# Altium PCB pcb-4layer-1oz-1.6mm.PcbDoc (part 3 of 4)
Units mm, origin at the board's own origin, x right, y up, seen from the top; angles counter-clockwise.
Board outline 208.5 x 86.9 mm, 4 copper layers (Top Layer, MID1, MID2, Bottom Layer), stack 1.579 mm thick; 542 components, 426 nets, 1550 pads, 470 vias.
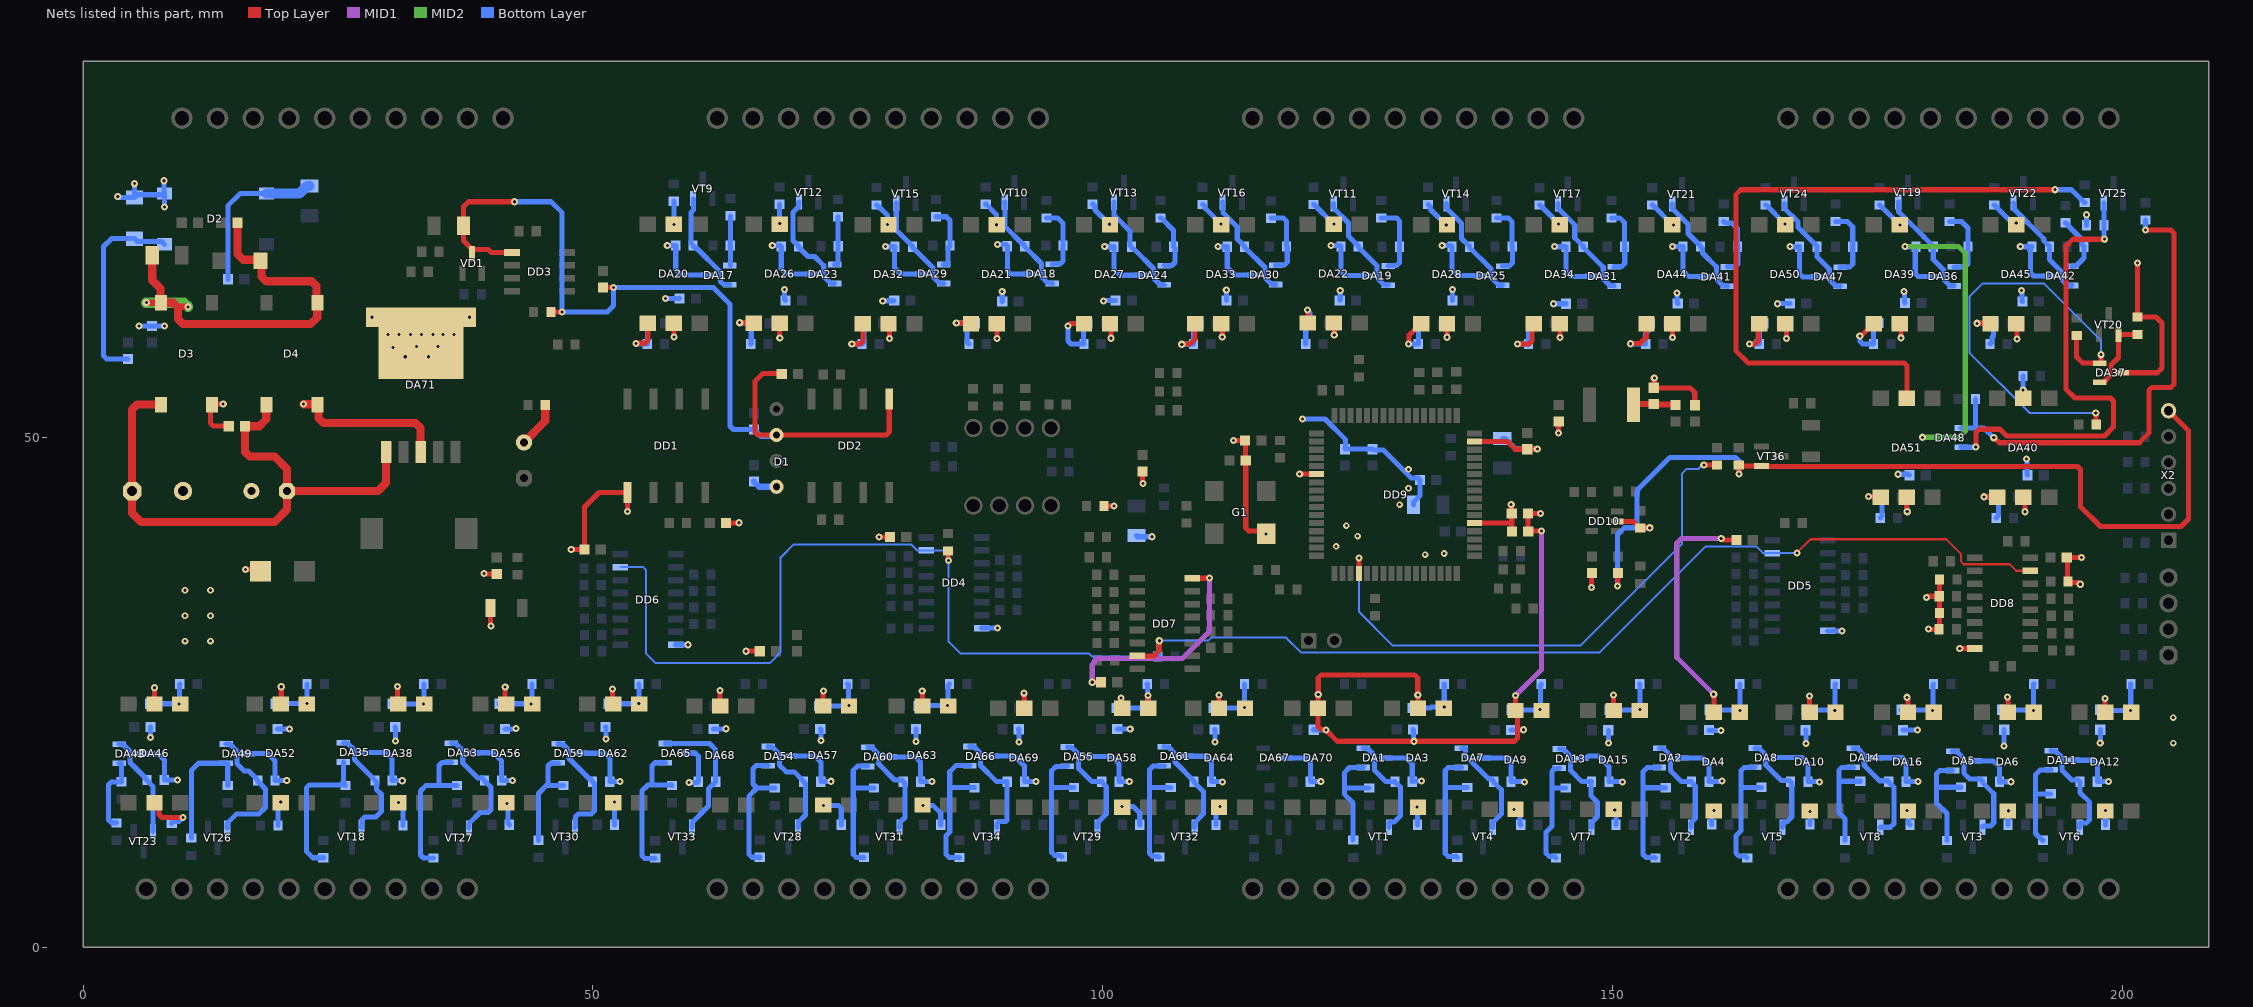
[diagram p5: the nets of this part, all layers, seen from the top]

## Via types
v1: diameter 0.7, hole 0.3, Top Layer to Bottom Layer, tented both sides, 437 vias
v2: diameter 0.65, hole 0.3, Top Layer to Bottom Layer, tented both sides, 21 vias
v3: diameter 0.65, hole 0.3, Top Layer to Bottom Layer, 12 vias

## Nets (pads, with @x,y where several pads share a name; then routed paths per layer and width w, separated by ;. In a path a pad name is that pad's centre, name@x,y a point inside that pad or via, vN(x,y) a via of type N, cw(c..) or ccw(c..) an arc to the next point about the centre after c; other vN are vias at no path point) (continued)
GND: C1.2 C2.2 C3.2 C4.2 C5.2 C6.2 C7.2 C8.2 C9.2 C10.2 C11.2 C12.2 C13.2 C14.2 C15.2 C16.2 C17.2 C18.2 C19.2 C20.2 C21.2 C22.2 C23.2 C24.2 C25.2 C26.2 C27.2 C28.2 C29.2 C30.2 C31.2 C32.2 C33.2 C34.2 C35.2 C36.1 C37.2 C43.2 C44.2 C45.2 C46.2 C47.2 C48.2 C59.1 C66.2 C67.2 C68.2 C69.2 C70.2 D1.1 D3.2 D4.2 DA3.5 DA4.5 DA6.5 DA9.5 DA10.5 DA12.5 DA15.5 DA16.5 DA20.5 DA21.5 DA22.5 DA26.5 DA27.5 DA28.5 DA32.5 DA33.5 DA34.5 DA38.5 DA39.5 DA40.5 DA44.5 DA45.5 DA46.5 DA50.5 DA51.5 DA52.5 DA56.5 DA57.5 DA58.5 DA62.5 DA63.5 DA64.5 DA68.5 DA69.5 DA70.5 DA71.3 DA71.6 DD1.5 DD4.8 DD5.8 DD6.8 DD7.8 DD8.8 L4.1 LED2.1 R266.2 R267.2 R268.2 R273.2 R274.2 R320.2 VD4.2 | length 264.5
  Top Layer w0.5: v1(6.992,25.436) 7,25.429 DA46.5@7,23.85 ; v1(13.746,53.269) 12.713,53.269 D3.2@12.645,53.201 12.5,53.056 12.5,51.383 12.793,51.09 C66.2@14.286,51.09 ; v1(15.919,37.023) 17.263,37.023 VD4.2@17.42,36.865 ; DA52.5@19.386,23.85 19.438,23.902 v1(19.438,25.531) ; v1(30.856,25.541) 30.856,23.902 DA38.5@30.908,23.85 ; v1(39.317,36.656) 39.317,36.605 C70.2@40.582,36.605 ; LED2.1@39.966,33.265 39.966,31.5 v1(40,31.5) ; v1(41.4,25.5) 41.4,23.966 DA56.5@41.516,23.85 ; v1(47.879,39.011) 47.879,39.005 C46.2@49.172,39.005 49.172,43.172 50.598,44.598 DD1.5@53.402,44.598 53.402,42.737 v1(53.395,42.73) ; v1(51.921,25.327) 51.921,23.928 DA62.5@52,23.85 ; DA20.5@57.938,61.189 57.938,59.85 v1(57.959,59.828) ; v1(62.472,25.164) 62.472,23.674 DA68.5@62.502,23.644 ; C37.2@63.057,41.587 64.293,41.587 v1(64.327,41.621) ; v1(65.002,29.018) 65.005,29.021 C43.2@66.365,29.021 ; DA26.5@68.319,61.189 68.319,59.749 v1(68.332,59.735) ; DA57.5@72.583,23.644 72.583,25.09 v1(72.616,25.123) ; v1(78.055,40.214) 78.061,40.207 C45.2@79.144,40.207 ; DA32.5@79,61.15 79.1,61.05 v1(79.1,59.7) ; v1(82.3,25.1) 82.329,25.071 DA63.5@82.329,23.644 ; DA21.5@89.62,61.15 89.62,59.699 v1(89.637,59.682) ; v1(92.3,24.9) 92.311,24.889 DA69.5@92.311,23.428 ; v1(98.978,25.978) 98.98,25.98 99.82,25.98 C44.2@99.822,25.982 ; DA27.5@100.715,61.15 100.801,61.063 v1(100.801,59.712) ; v1(101.8,24.443) 101.8,23.545 DA58.5@101.918,23.428 ; DD7.8@108.805,36.18 110.472,36.18 v1(110.483,36.191) ; v1(111.392,24.719) 111.417,24.694 DA64.5@111.417,23.428 ; DA33.5@111.615,61.15 111.727,61.037 v1(111.727,59.853) ; DA22.5@122.661,61.201 122.711,61.151 v1(122.711,60.016) ; DA3.5@130.921,23.428 130.921,24.729 v1(130.907,24.743) 130.907,26.393 130.6,26.7 121.434,26.7 121.141,26.407 v1(121.141,24.767) 121.12,24.745 DA70.5@121.12,23.428 121.12,21.631 121.413,21.338 121.862,21.338 v1(121.9,21.3) 123.015,20.185 v1(130.539,20.185) 140.385,20.185 140.7,20.5 140.7,23.01 DA9.5@140.497,23.213 v1(140.497,24.678) ; DA28.5@133.773,61.15 133.773,59.822 v1(133.781,59.814) ; v1(142.95,42.512) 142.939,42.524 141.736,42.524 L4.1@141.725,42.535 141.734,42.526 141.734,40.768 C59.1@141.744,40.759 141.781,40.796 v1(143.055,40.796) ; DA34.5@144.821,61.15 144.841,61.129 v1(144.841,59.774) ; v1(150.093,24.733) 150.093,23.258 DA15.5@150.138,23.213 ; DA44.5@155.877,61.15 155.877,59.823 v1(155.9,59.8) ; v1(159.93,24.798) 159.946,24.782 DA4.5@159.946,23.045 ; v1(160.672,40.075) 160.726,40.075 160.86,39.942 162.157,39.942 C47.2@162.164,39.934 ; DA50.5@166.941,61.15 167.051,61.04 v1(167.051,59.692) ; v1(169.334,24.641) 169.334,23.05 DA10.5@169.339,23.045 ; DA39.5@178.178,61.15 178.306,61.022 v1(178.306,59.758) ; DA51.5@178.867,44.096 178.867,42.798 178.909,42.756 v1(178.909,42.702) ; v1(178.9,24.5) 178.983,24.417 DA16.5@178.983,23.045 ; v1(180.791,34.277) 180.845,34.277 180.974,34.406 R267.2@182.045,34.406 ; v1(180.988,31.199) 181.023,31.165 R268.2@182.04,31.165 182.06,31.184 182.06,36.021 R273.2@182.079,36.041 ; v1(184.061,29.302) 184.073,29.29 DD8.8@185.55,29.29 ; v1(188.756,24.547) 188.777,24.525 DA6.5@188.777,23.045 ; DA45.5@189.615,61.15 189.673,61.092 v1(189.673,59.634) ; DA40.5@190.29,44.116 190.455,43.951 v1(190.455,42.696) ; v1(195.88,35.589) 195.826,35.589 195.664,35.751 194.806,35.751 194.618,35.939 194.618,38.136 C48.2@194.55,38.204 195.979,38.204 v1(195.987,38.211) ; v1(198.318,24.376) 198.318,23.068 DA12.5@198.341,23.045
  Top Layer w0.8: v1(21.627,53.248) 22.935,53.248 D4.2@22.982,53.201 23.097,53.086 23.097,51.869 23.566,51.4 32.61,51.4 33.078,50.931 DA71.3@33.078,48.609 ; C69.2@43.238,49.494 45.333,51.589 R320.2@45.333,53.176
  MID1 w0.5: v1(98.978,25.978) 98.978,27.717 99.15,27.889 99.15,28.007 99.443,28.3 107.8,28.3 110.483,30.983 v1(110.483,36.191) ; v1(140.497,24.678) 143.055,27.236 v1(143.055,40.796) ; v1(159.93,24.798) 156.3,28.428 156.3,39.615 156.76,40.075 v1(160.672,40.075)
  Bottom Layer w0.5: C23.2@6.617,21.583 6.617,20.554 v1(6.629,20.543) ; C26.2@19.056,21.399 20.233,21.399 v1(20.242,21.408) ; C18.2@30.609,21.583 30.654,21.539 v1(30.654,20.21) ; C27.2@41.382,21.399 42.433,21.399 v1(42.47,21.435) ; C30.2@51.242,21.583 51.3,21.526 v1(51.3,20.4) ; v1(57.139,63.608) 57.144,63.603 C9.2@58.502,63.603 ; DD6.8@58.114,29.643 58.123,29.652 v1(59.337,29.652) ; C33.2@61.856,21.399 63.022,21.399 v1(63.04,21.417) ; v1(68.8,64.5) 68.8,63.525 C12.2@68.908,63.417 ; C28.2@72.306,21.399 72.387,21.317 v1(72.387,20.27) ; v1(78.428,63.371) 78.452,63.394 79.528,63.394 C15.2@79.551,63.417 ; v1(81.675,20.151) 81.687,20.163 C31.2@81.687,21.386 ; DD4.8@88.133,31.287 89.687,31.287 v1(89.7,31.3) ; v1(90.145,64.312) 90.156,64.301 C10.2@90.156,63.315 ; C34.2@91.765,21.361 91.8,21.327 v1(91.8,20.1) ; v1(100.064,63.381) 100.1,63.417 C13.2@101.264,63.417 ; C29.2@101.437,21.4 v1(102.7,21.4) ; C32.2@110.966,21.355 111.033,21.288 v1(111.033,20.114) ; v1(112.126,64.443) 112.151,64.418 C16.2@112.151,63.417 ; C35.2@120.706,21.322 121.878,21.322 v1(121.9,21.3) ; C11.2@123.259,63.417 123.302,63.46 123.302,64.398 v1(123.3,64.4) ; C1.2@130.441,21.355 130.501,21.295 130.501,20.223 v1(130.539,20.185) ; v1(134.3,64.5) 134.313,64.487 C14.2@134.313,63.417 ; C4.2@140.059,21.297 141.269,21.297 v1(141.287,21.314) ; v1(144.2,63.1) 144.225,63.1 144.227,63.102 C17.2@145.439,63.102 ; C7.2@149.594,21.259 149.594,20.027 149.6,20.021 v1(149.6,20) ; v1(156.333,64.159) 156.333,63.202 C21.2@156.406,63.128 ; C2.2@159.456,21.294 159.519,21.23 v1(160.651,21.23) ; v1(166.2,63.1) 166.237,63.137 C24.2@167.398,63.137 ; C5.2@168.94,21.275 168.971,21.243 v1(168.971,19.953) ; DD5.8@171.106,31.014 172.486,31.014 v1(172.5,31) ; v1(178.006,46.378) 179.029,46.378 C25.2@179.124,46.284 ; C8.2@178.507,21.277 179.877,21.277 v1(179.9,21.3) ; v1(178.6,64.3) 178.654,64.246 178.654,63.221 C19.2@178.695,63.18 ; v1(188.396,19.736) 188.416,19.756 C3.2@188.416,21.313 ; v1(190.1,64.4) 190.152,64.348 190.152,63.361 C22.2@190.21,63.304 ; v1(190.6,47.878) 190.638,47.84 190.638,46.352 C20.2@190.707,46.284 ; v1(197.838,20.027) 197.849,20.039 C6.2@197.849,21.325
  Bottom Layer w0.6: C36.1@65.794,45.654 66.3,45.148 D1.1@68.008,45.148
  other v2: 10,30 12.5,30 10,32.5 12.5,32.5 10,35 12.5,35 31.6,57.9 33.9,57.9 30.4,58.8 32.7,58.9 34.8,58.9 29.9,60.1 31,60.1 32.1,60.1 33.2,60.1 34.3,60.1 35.3,60.1 36.4,60.1 28.344,61.776 37.909,61.776
  other v3: 205,20 205,22.5
GND_INPUTS: C42.2 D2.2 DA1.3 DA2.3 DA5.3 DA7.3 DA8.3 DA11.3 DA13.3 DA14.3 DA17.3 DA18.3 DA19.3 DA23.3 DA24.3 DA25.3 DA29.3 DA30.3 DA31.3 DA35.3 DA36.3 DA37.3 DA41.3 DA42.3 DA43.3 DA47.3 DA48.3 DA49.3 DA53.3 DA54.3 DA55.3 DA59.3 DA60.3 DA61.3 DA65.3 DA66.3 DA67.3 R9.1 R10.1 R14.1 R25.1 R26.1 R34.1 R43.1 R44.1 R58.1 R59.1 R60.1 R75.1 R76.1 R78.1 R94.1 R95.1 R96.1 R112.1 R113.1 R114.1 R129.1 R130.1 R132.1 R148.1 R149.1 R150.1 R166.1 R167.1 R168.1 R183.1 R184.1 R186.1 R202.1 R203.1 R204.1 VD2.2 | length 253.6
  Top Layer w0.5: DA37.3@199.983,56.334 203.434,56.334 203.9,56.8 203.9,61.2 203.314,61.786 R114.1@201.479,61.786 201.479,67.079 v1(201.5,67.1)
  MID2 w0.5: v1(178.7,68.7) 183.957,68.7 184.6,68.057 184.6,50.6 184,50 v1(180.4,50)
  Bottom Layer w0.5: v1(3.4,73.6) 3.486,73.514 VD2.2@5.052,73.514 ; v1(5.051,74.871) 5.052,74.87 VD2.2@5.052,73.514 ; v1(5.5,60.9) 5.507,60.907 C42.2@6.756,60.907 7.993,60.907 v1(8,60.9) ; DA43.3@5.735,18.961 7.339,18.961 7.969,18.331 R132.1@7.969,16.388 9.278,16.388 v1(9.278,16.386) ; v1(7.947,75.161) 7.947,73.958 D2.2@7.982,73.922 ; v1(7.984,72.581) 7.984,73.921 D2.2@7.982,73.922 ; DA49.3@16.207,18.972 18.128,18.972 18.826,18.274 R150.1@18.826,16.331 19.978,16.331 v1(19.978,16.328) ; DA35.3@27.715,19.091 29.709,19.091 30.318,18.482 R112.1@30.318,16.331 31.304,16.331 v1(31.304,16.317) ; DA53.3@38.318,19.058 40.242,19.058 41.058,18.242 R166.1@41.058,16.331 42.102,16.331 v1(42.122,16.351) ; DA59.3@48.787,19.015 51.185,19.015 51.662,18.538 R183.1@51.662,16.225 v1(52.645,16.225) ; v1(57.3,68.8) 58.118,68.8 R58.1@58.132,68.814 58.132,66.468 58.69,65.91 DA17.3@61.263,65.91 ; DA65.3@59.292,19.021 59.296,19.017 60.051,19.017 60.344,18.724 R202.1@60.344,16.225 60.267,16.148 v1(59.446,16.148) ; v1(67.6,68.8) 68.383,68.8 R75.1@68.477,68.706 68.477,66.523 68.984,66.016 DA23.3@71.52,66.016 ; DA54.3@69.376,18.731 71.769,18.731 72.356,18.144 R167.1@72.356,16.225 73.332,16.225 v1(73.367,16.26) ; v1(78.7,68.7) 78.713,68.687 R94.1@79.643,68.687 79.6,68.644 79.6,66.6 80.184,66.016 DA29.3@82.227,66.016 ; DA60.3@79.155,18.66 81.64,18.66 82.143,18.157 R184.1@82.143,16.225 83.262,16.225 v1(83.275,16.238) ; DA66.3@89.152,18.737 91.363,18.737 92.335,17.765 R203.1@92.335,16.225 93.449,16.225 v1(93.45,16.226) ; v1(89.7,68.9) 90.495,68.9 R59.1@90.65,68.745 90.65,66.318 90.943,66.025 DA18.3@92.872,66.025 ; DA55.3@98.724,18.682 100.918,18.682 101.614,17.986 R168.1@101.614,16.225 v1(102.614,16.225) ; v1(100.2,68.7) 100.213,68.687 R76.1@101.126,68.687 101.126,66.474 101.708,65.892 DA24.3@103.853,65.892 ; DA61.3@108.225,18.714 110.086,18.714 110.669,18.131 R186.1@110.669,16.225 111.709,16.225 v1(111.742,16.192) ; v1(111.3,68.7) 111.313,68.687 R95.1@112.223,68.687 112.223,66.677 112.977,65.923 DA30.3@114.793,65.923 ; DA67.3@117.953,18.554 119.946,18.554 120.364,18.136 R204.1@120.364,16.225 121.39,16.225 v1(121.393,16.228) ; v1(122.4,68.8) 123.279,68.8 R60.1@123.375,68.704 123.375,66.225 123.739,65.861 DA19.3@125.826,65.861 ; DA1.3@127.742,18.56 129.74,18.56 130.365,17.935 R9.1@130.365,16.225 130.426,16.286 v1(131.274,16.286) ; v1(133.3,68.8) 134.15,68.8 R78.1@134.263,68.687 134.263,66.437 134.851,65.849 DA25.3@137.042,65.849 ; DA7.3@137.367,18.548 139.752,18.548 140.057,18.243 R25.1@140.057,16.225 141.334,16.225 v1(141.375,16.184) ; v1(144.3,68.7) 144.313,68.687 R96.1@145.434,68.687 145.434,66.266 145.914,65.786 DA31.3@147.972,65.786 ; DA13.3@146.981,18.497 147.387,18.497 147.64,18.75 148.611,18.75 149.646,17.715 R43.1@149.646,16.225 150.975,16.225 v1(151,16.2) ; v1(155.9,68.7) 155.904,68.704 R129.1@156.926,68.704 156.926,66.322 157.493,65.755 DA41.3@159.095,65.755 ; DA2.3@156.799,18.555 158.845,18.555 159.458,17.942 R10.1@159.458,16.225 160.677,16.225 v1(160.731,16.279) ; DA8.3@166.162,18.593 168.607,18.593 169.162,18.038 R26.1@169.162,16.225 170.275,16.225 v1(170.3,16.2) ; v1(167.4,68.7) 167.413,68.687 R148.1@168.358,68.687 168.358,66.042 168.659,65.741 DA47.3@170.14,65.741 ; DA14.3@175.819,18.567 178.433,18.567 178.8,18.2 178.8,16.229 R44.1@178.795,16.225 179.939,16.225 v1(179.95,16.236) ; v1(178.7,68.7) 178.713,68.687 R113.1@179.765,68.687 179.7,68.622 179.7,66.069 179.993,65.776 DA36.3@181.33,65.776 ; v1(180.4,50) 180.432,49.968 DA48.3@182.02,49.968 ; DA5.3@185.543,18.269 187.331,18.269 187.972,17.628 R14.1@187.972,16.225 187.977,16.221 189.068,16.221 v1(189.072,16.216) ; v1(190,68.7) 190.013,68.687 R130.1@191.15,68.687 191,68.536 191,66.115 191.293,65.822 DA42.3@192.873,65.822 ; DA11.3@195.205,18.329 197.259,18.329 197.552,18.036 R34.1@197.552,16.225 198.653,16.225 v1(198.66,16.232) ; R149.1@196.495,70.795 196.498,70.798 196.498,71.825 v1(196.502,71.828) ; VD2.2@5.052,73.514 5.328,73.79 7.85,73.79 D2.2@7.982,73.922
GND_ISO: C38.1 C39.1 C40.2 D1.3 DD2.5 DD3.5 R218.1 R322.1 VD1.3 | length 92.3
  Top Layer w0.5: VD1.3@38.151,67.999 38.101,68.049 38.101,68.499 37.318,69.282 R322.1@37.318,70.755 37.318,72.618 37.8,73.1 v1(42.3,73.1) ; VD1.3@38.151,68.076 38.151,68.383 38.201,68.433 39.724,68.433 40.03,68.126 DD3.5@42.067,68.126 ; R218.1@45.884,62.287 46.983,62.287 v1(46.988,62.282) ; C40.2@51,64.7 52.033,64.7 v1(52.035,64.698) ; C38.1@68.527,56.196 68.483,56.24 66.64,56.24 65.9,55.5 65.9,50.521 66.193,50.228 D1.3@68.008,50.228 78.775,50.228 79.068,50.521 DD2.5@79.068,53.748
  Bottom Layer w0.5: v1(42.3,73.1) 45.9,73.1 46.988,72.012 v1(46.988,62.282) 51.407,62.282 52.035,62.91 v1(52.035,64.698) 61.802,64.698 63.45,63.05 63.45,51.112 63.793,50.769 C39.1@65.794,50.769 66.491,50.073 67.853,50.073 D1.3@68.008,50.228
GND_MCU: C49.2 C50.2 C51.2 C52.2 C53.2 C54.2 C55.2 C56.2 C57.2 C58.2 C59.2 C60.2 C61.2 C62.2 C63.2 C64.2 DD9.22 DD9.53 DD9.63 DD10.2 G1.2 L4.2 R307.1 R316.1 R318.1 VT36.2 X2.6 | length 151.1
  Top Layer w0.5: R307.1@100.126,43.267 101.102,43.267 v1(101.107,43.272) ; C55.2@103.9,46.656 103.9,45.575 103.966,45.509 v1(103.966,45.455) ; v1(112.819,49.697) 112.833,49.683 C58.2@113.973,49.683 114.004,49.652 114.004,47.768 C50.2@114.035,47.737 114.035,41.093 114.328,40.8 115.775,40.8 v2(116.039,40.535) ; v1(119.325,46.385) 119.326,46.383 120.973,46.383 DD9.22@120.975,46.382 ; DD9.63@136.477,49.584 139.716,49.584 140.468,48.832 C64.2@141.636,48.832 142.619,48.832 v1(142.628,48.841) ; DD9.53@136.491,41.598 140.068,41.598 140.125,41.654 L4.2@140.125,42.535 140.096,42.564 140.096,43.363 v1(140.068,43.391) ; 140.134,41.582 140.134,40.768 C59.2@140.144,40.759 ; v1(144.713,50.406) 144.723,50.415 C63.2@144.723,51.555 ; v1(147.961,35.284) 147.961,36.661 C56.2@147.996,36.697 ; DD10.2@150.458,41.759 152.009,41.759 152.668,41.1 R316.1@152.718,41.1 152.743,41.124 v1(153.655,41.124) ; v1(150.5,35.4) 150.533,35.433 C57.2@150.533,36.697 ; v1(154.102,55.813) 154.102,54.903 C61.2@154.053,54.854 157.607,54.854 158.072,54.388 158.072,53.158 C60.2@158.091,53.138 ; v1(162.4,46.4) 162.392,46.408 R318.1@162.392,47.282 162.48,47.194 164.617,47.194 VT36.2@164.62,47.191 ; VT36.2@164.972,47.128 195.607,47.128 195.9,46.836 195.9,43.2 197.856,41.244 205.751,41.244 206.5,41.993 206.5,50.65 X2.6@204.546,52.604
  Bottom Layer w0.5: C52.2@103.314,40.357 103.427,40.243 v1(104.856,40.243) ; v1(119.6,51.8) 121.8,51.8 123.8,49.8 123.8,48.87 C53.2@123.763,48.833 C54.2@126.464,48.833 126.557,48.74 127.538,48.74 130.261,46.017 130.916,46.017 C51.2@131.119,45.814 131.119,44.272 130.474,43.627 C49.2@130.474,43.377 ; C62.2@139.207,49.879 139.457,49.879 140.495,48.841 v1(142.628,48.841) ; v1(150.5,35.4) 150.5,40.459 151.165,41.124 152.41,41.124 ; v1(153.655,41.124) 152.41,41.124 ; v1(162.4,46.4) 162.4,47.707 162.075,48.032 155.635,48.032 152.5,44.897 152.5,44.8 152.41,44.71 152.41,41.124
  other v3: 131.628,38.49 133.484,38.6 122.9,39.3 125,40.3 123.905,41.337 129.13,43.399 130,45 130,46.857
LED_Debug: DD9.36 R317.1 | length 54.6
  Top Layer w0.5: DD9.36@125.125,36.632 125.125,38.136 v1(125.139,38.15) ; v1(158.958,47.282) R317.1@160.252,47.282
  Bottom Layer w0.2: v1(125.139,38.15) 125.139,32.88 128.419,29.6 146.891,29.6 156.807,39.516 156.807,46.407 157.3,46.9 158.441,46.9 158.823,47.282 v1(158.958,47.282)
nCE_to_MCU: DD4.15 DD5.15 DD6.15 DD7.15 DD8.15 R228.2 R240.1 | length 180.3
  Top Layer w0.2: v1(168.084,38.662) 169.422,40 182.749,40 184.2,38.549 184.2,37.8 184.45,37.55 188.95,37.55 189.59,36.91 DD8.15@190.974,36.91
  Top Layer w0.5: R240.1@84.83,38.852 84.847,38.834 84.847,37.918 v1(84.865,37.9) ; DD7.15@103.381,28.56 105.04,28.56 105.553,29.072 v1(105.553,30.045)
  Bottom Layer w0.2: DD6.15@52.69,37.263 54.937,37.263 55.2,37 55.2,28.8 56.15,27.85 67.35,27.85 68.4,28.9 68.4,38.2 69.7,39.5 81.2,39.5 81.8,38.9 82.702,38.9 DD4.15@82.709,38.907 84.693,38.907 84.9,38.7 84.9,37.935 v1(84.865,37.9) ; v1@84.9,37.865 84.9,29.935 86.035,28.8 98.649,28.8 98.937,28.511 R228.2@105.404,28.511 ; v1(105.553,30.045) 105.558,30.05 110.355,30.05 110.655,30.35 117.979,30.35 119.429,28.9 148.743,28.9 159.143,39.3 164.1,39.3 164.737,38.663 165.653,38.663 DD5.15@165.682,38.634 165.71,38.662 v1(168.084,38.662)
  Bottom Layer w0.5: R228.2@105.404,28.511 105.511,28.618 105.511,29.949 105.553,29.991 v1(105.553,30.045)
NetC41_1: C41.1 D2.3 FU1.2 | length 16
  Bottom Layer w0.5: C41.1@14.2,65.5 14.2,72.7 15.422,73.922 D2.3@17.982,73.922
  Bottom Layer w1: D2.3@17.982,73.922 21.236,73.922 21.952,74.639 FU1.2@22.202,74.639
NetC61_1: C61.1 L5.2 L6.1 | length 4.2
  Top Layer w0.6: L6.1@152.052,53.197 152.108,53.254 C61.1@154.053,53.254 154.102,53.204 156.14,53.204 L5.2@156.189,53.155
NetC65_1: C65.1 D3.4 D4.3 FU2.2 VD3.1 | length 44.9
  Top Layer w0.6: v1(6.2,63.2) D3.4@7.645,63.201 ; 9.368,62.8 v1(10.3,62.8)
  Top Layer w0.8: FU2.2@6.778,67.838 6.778,65.422 7.6,64.6 7.6,63.245 D3.4@7.645,63.201 8.831,63.201 9.3,62.732 9.3,61.6 9.8,61.1 22.3,61.1 22.968,61.768 22.968,63.187 D4.3@22.982,63.201 22.9,63.283 22.9,64.831 22.431,65.3 17.969,65.3 17.5,65.769 17.5,67.225 VD3.1@17.412,67.313 17.309,67.416 15.7,67.416 15.147,67.969 C65.1@15.147,71.047
  MID2 w1: v1(6.2,63.2) 9.899,63.2 10.299,62.8 v1(10.3,62.8)
NetC66_1: C66.1 C67.1 C68.1 D3.1 D4.1 DA71.1 | length 57.4
  Top Layer w0.8: D3.1@7.645,53.201 5.301,53.201 4.808,52.708 C67.1@4.808,44.725 4.808,42.592 5.7,41.7 18.8,41.7 20.006,42.906 C68.1@20.006,44.725 ; D4.1@17.982,53.201 17.968,53.187 17.968,51.768 17.29,51.09 C66.1@15.886,51.09 15.886,48.569 16.354,48.1 18.8,48.1 20.006,46.894 C68.1@20.006,44.725 ; DA71.1@29.726,48.561 29.726,45.526 28.925,44.725 C68.1@20.006,44.725
NetD2_1: D2.1 L1.1 VD2.1 | length 19.8
  Bottom Layer w0.5: L1.1@4.405,57.694 2.306,57.694 2,58 2,68.707 2.777,69.484 VD2.1@5.052,69.484 5.334,69.201 7.703,69.201 D2.1@7.982,68.922
NetDA1_1: DA1.1 R1.1 R3.1 | length 11.5
  Bottom Layer w0.5: R3.1@124.568,10.498 124.568,14.132 123.7,15 123.7,15.6 ; DA1.1@125.557,17.62 124.22,17.62 123.7,17.1 123.7,15.6 ; R1.1@126.14,15.616 123.716,15.616 123.7,15.6
NetDA1_2: DA1.2 R9.2 VT1.2 | length 10.8
  Bottom Layer w0.5: DA1.2@125.557,19.5 125.587,19.471 125.968,19.471 126.649,18.789 126.649,17.356 127.758,16.247 128.644,16.247 R9.2@128.665,16.225 128.665,16.175 128.865,15.975 128.914,15.975 129.207,15.682 129.207,12.893 128.567,12.253 128.117,12.253 128.067,12.203 VT1.2@128.067,11.753
NetDA2_1: DA2.1 R2.1 R4.1 | length 13.5
  Bottom Layer w0.5: R4.1@154.207,8.738 154.145,8.8 153.293,8.8 153,9.093 153,15.5 ; DA2.1@154.614,17.615 153.415,17.615 153,17.2 153,15.5 ; R2.1@155.218,15.63 153.13,15.63 153,15.5
NetDA2_2: DA2.2 R10.2 VT2.2 | length 10.2
  Bottom Layer w0.5: DA2.2@154.614,19.494 154.644,19.465 155.025,19.465 155.675,18.815 155.675,17.325 156.775,16.225 R10.2@157.758,16.225 157.758,16.175 158.122,15.81 158.122,12.606 157.72,12.203 VT2.2@157.72,11.753
NetDA3_2: DA3.2 R6.1 | length 1.7
  Bottom Layer w0.5: v1(130.85,13.74) 130.879,13.711 R6.1@130.879,12.003
NetDA3_4: DA3.4 R11.1 R16.1 | length 5.5
  Bottom Layer w0.5: R11.1@130.365,23.438 132.15,23.438 132.269,23.557 v1(133.5,23.557) ; v1@133.502,23.502 133.502,25.804 R16.1@133.504,25.806
NetDA4_2: DA4.2 R7.1 | length 1.5
  Bottom Layer w0.5: R7.1@159.736,12.01 159.705,12.04 159.705,13.094 159.946,13.334 v1(159.946,13.388)
NetDA4_4: DA4.4 R12.1 R15.1 | length 5.7
  Bottom Layer w0.5: R12.1@159.458,23.27 162.43,23.27 v1(162.5,23.2) 162.5,25.795 R15.1@162.489,25.806
NetDA5_1: DA5.1 R5.1 R8.1 | length 11.1
  Bottom Layer w0.5: R8.1@182.8,10.467 182.8,13.1 181.8,14.1 181.8,15.7 ; DA5.1@183.359,17.329 182.093,17.329 181.8,17.036 181.8,15.7 ; R5.1@184.178,15.675 181.825,15.675 181.8,15.7
NetDA5_2: DA5.2 R14.2 VT3.2 | length 10.8
  Bottom Layer w0.5: DA5.2@183.359,19.209 183.388,19.18 183.769,19.18 184.46,18.489 184.46,17.06 185.044,16.475 186.072,16.475 186.272,16.275 186.272,16.175 187.4,15.047 187.4,12.179 187.107,11.886 186.339,11.886 186.289,11.836 VT3.2@186.289,11.769
NetDA6_2: DA6.2 R13.1 | length 1.4
  Bottom Layer w0.5: R13.1@188.794,12.003 188.794,13.344 v1(188.823,13.373)
NetDA6_4: DA6.4 R17.1 R20.1 | length 5.8
  Bottom Layer w0.5: R17.1@188.185,23.27 191.23,23.27 v1(191.3,23.2) 191.313,23.213 191.313,25.793 R20.1@191.326,25.806
NetDA7_1: DA7.1 R18.1 R21.1 | length 13.4
  Bottom Layer w0.5: R21.1@134.782,8.78 134.661,8.901 133.893,8.901 133.6,9.194 133.6,15.7 ; DA7.1@135.183,17.608 133.893,17.608 133.6,17.315 133.6,15.7 ; R18.1@135.759,15.644 133.656,15.644 133.6,15.7
NetDA7_2: DA7.2 R25.2 VT4.2 | length 9.8
  Bottom Layer w0.5: DA7.2@135.183,19.488 135.564,19.488 135.593,19.459 135.593,18.758 137.876,16.475 R25.2@138.157,16.475 ; VT4.2@138.26,11.753 138.26,12.203 139.1,13.044 139.1,15.432 138.357,16.175 R25.2@138.357,16.225
NetDA8_1: DA8.1 R19.1 R22.1 | length 13.2